# Altium PCB 6502_CPU_MainBoard_PCB_V1_2_x.PcbDoc (part 1 of 4)
Units mil, origin at the board's own origin, x right, y up, seen from the top; angles counter-clockwise.
Board outline 9000 x 6000 mil, 4 copper layers (Top Layer, Plane(GND), Plane(Power), Bottom Layer), stack 23.756 mil thick; 366 components, 374 nets, 1460 pads, 604 vias.
Unrouted connection lines stored in the file: 40.
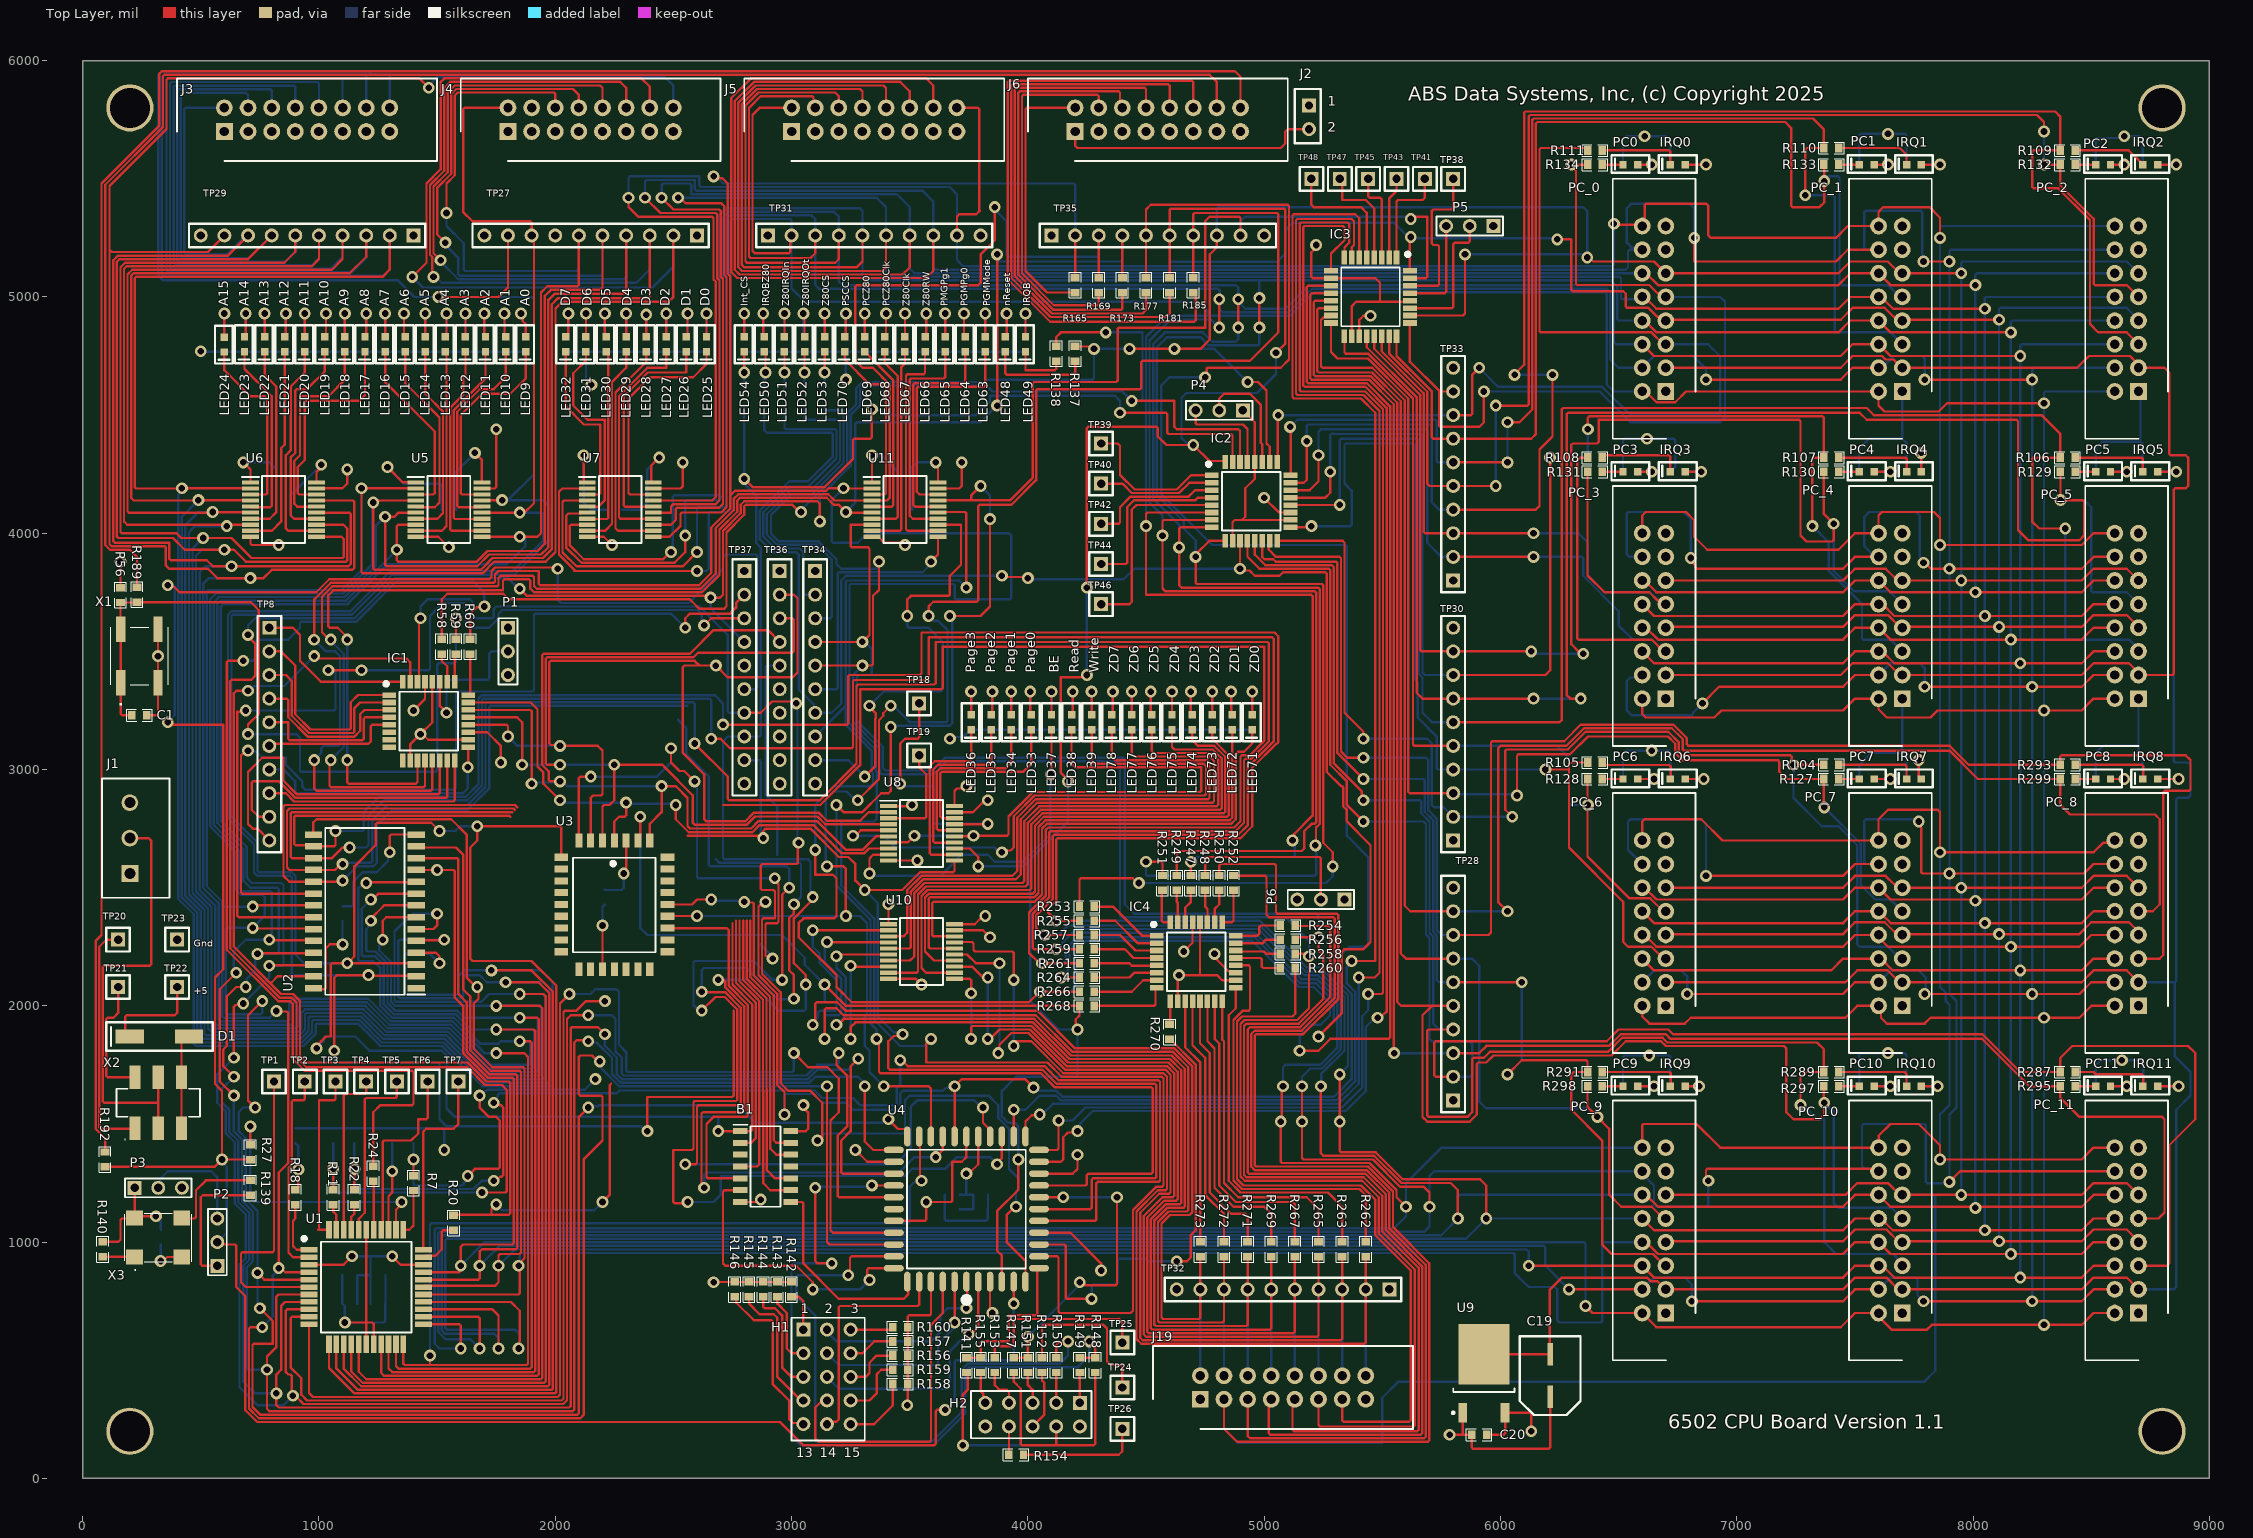
[diagram p0: Top Layer view]
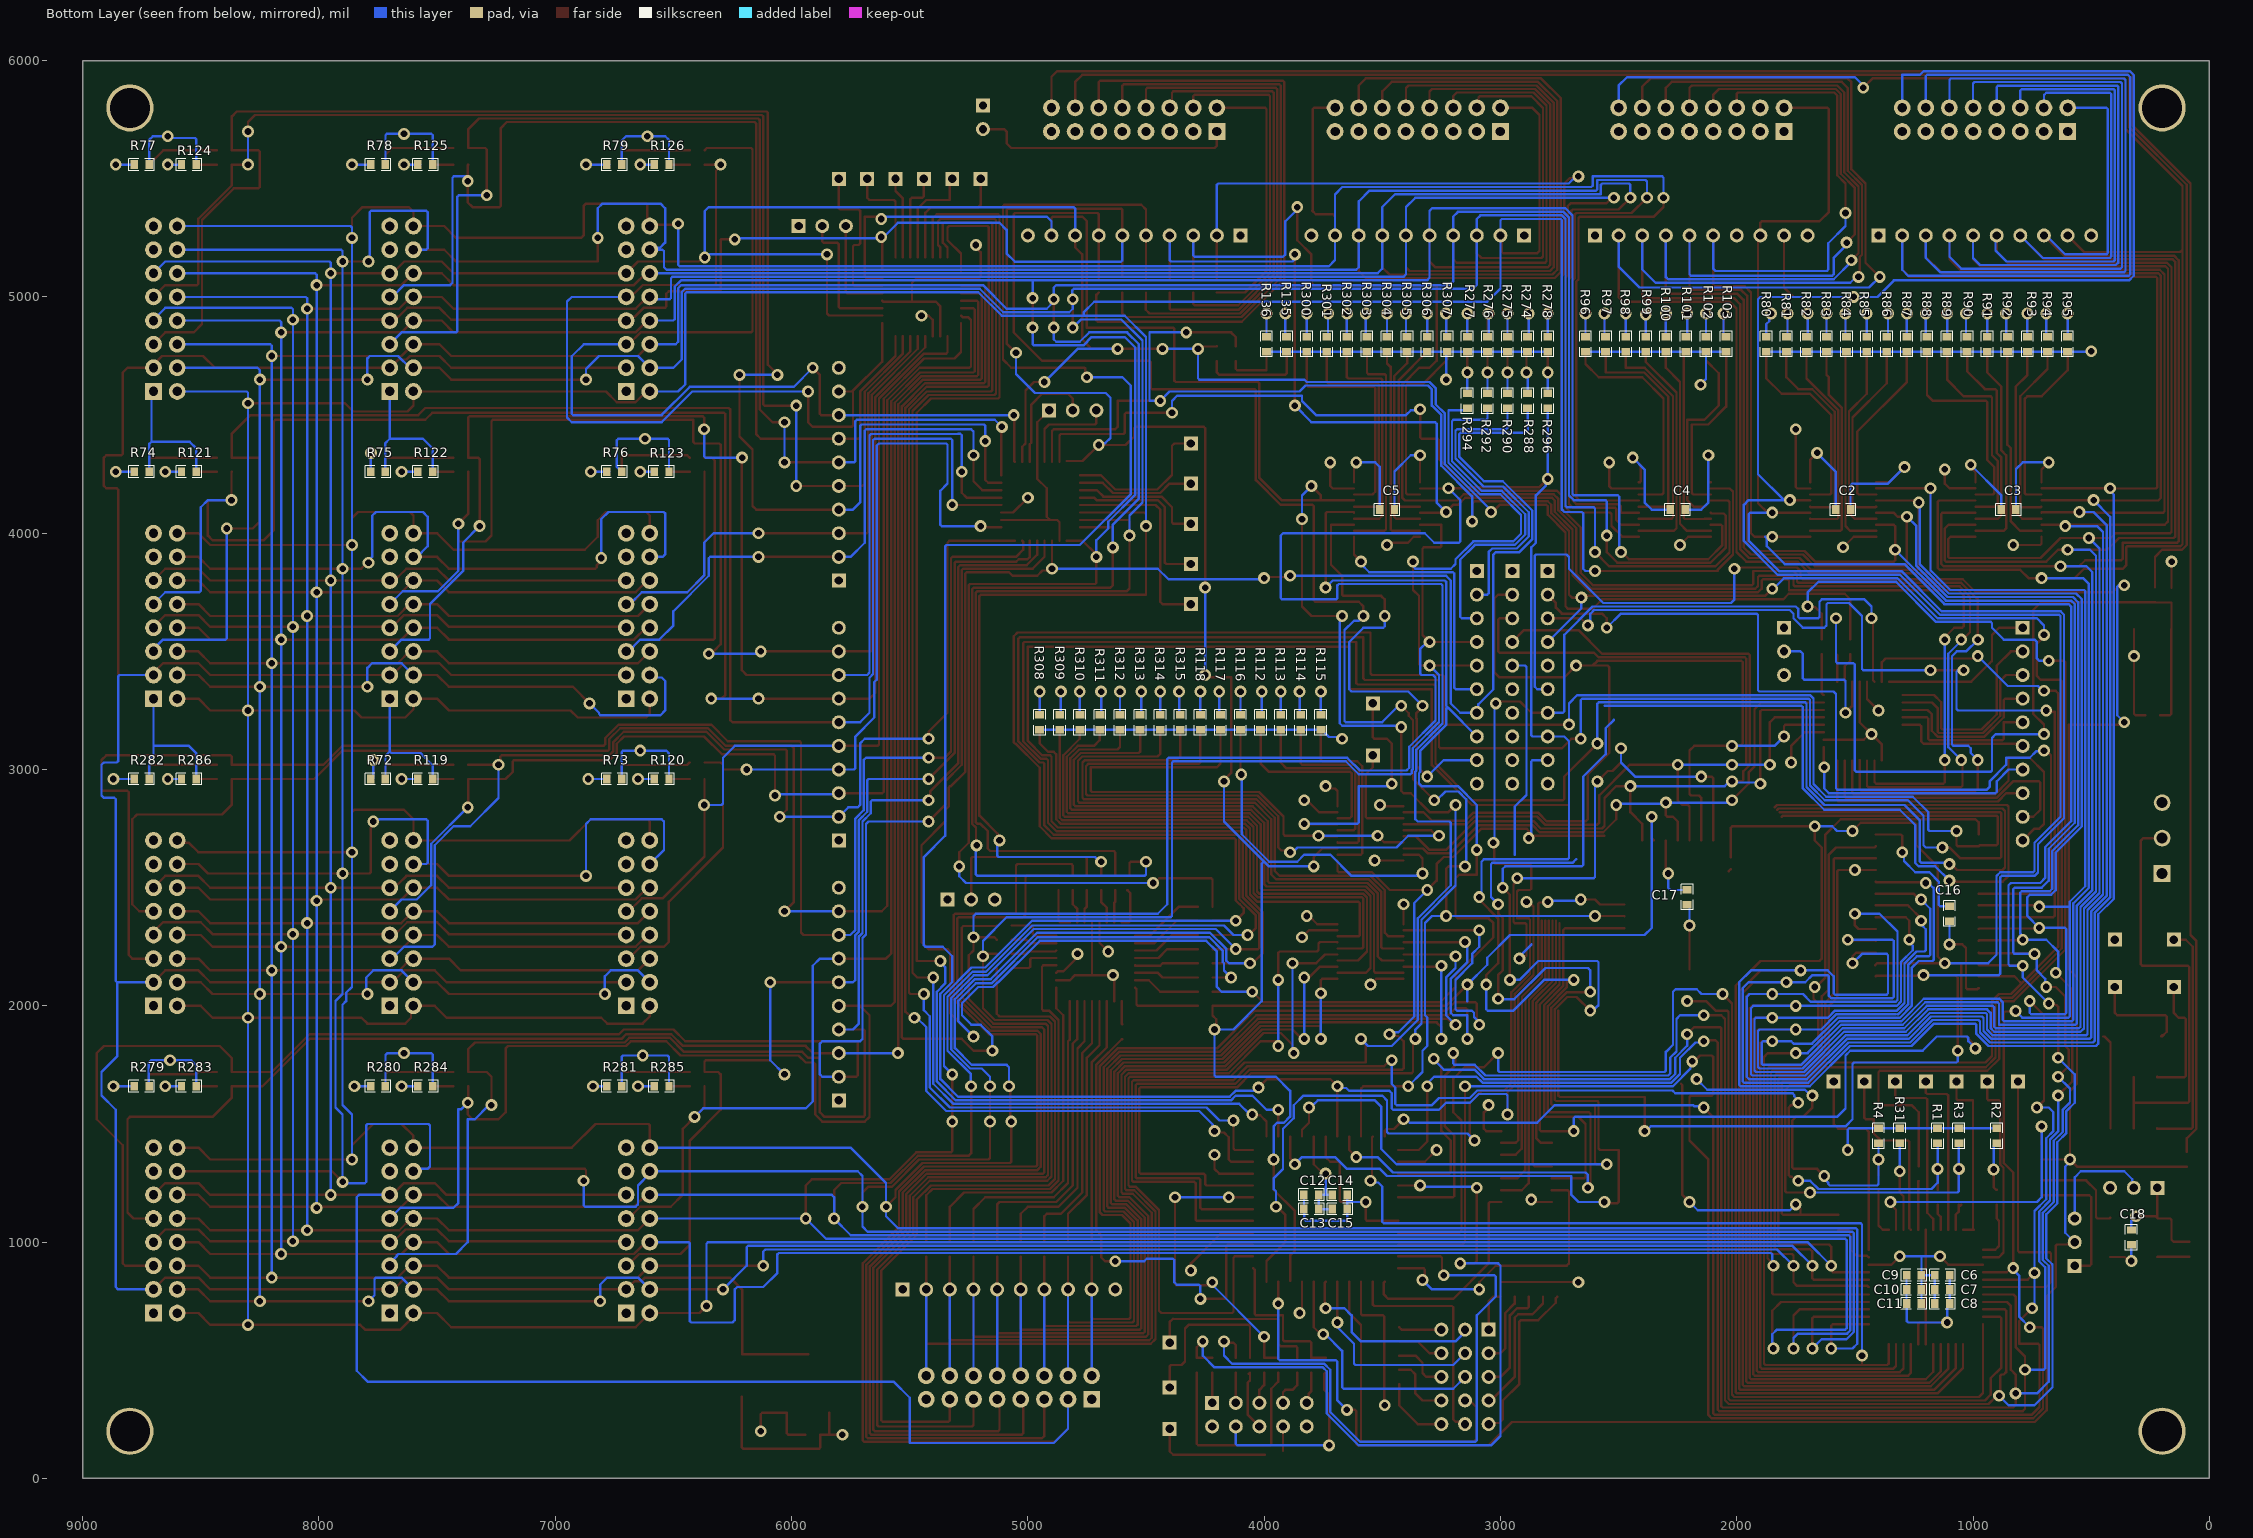
[diagram p1: Bottom Layer view, seen from below]
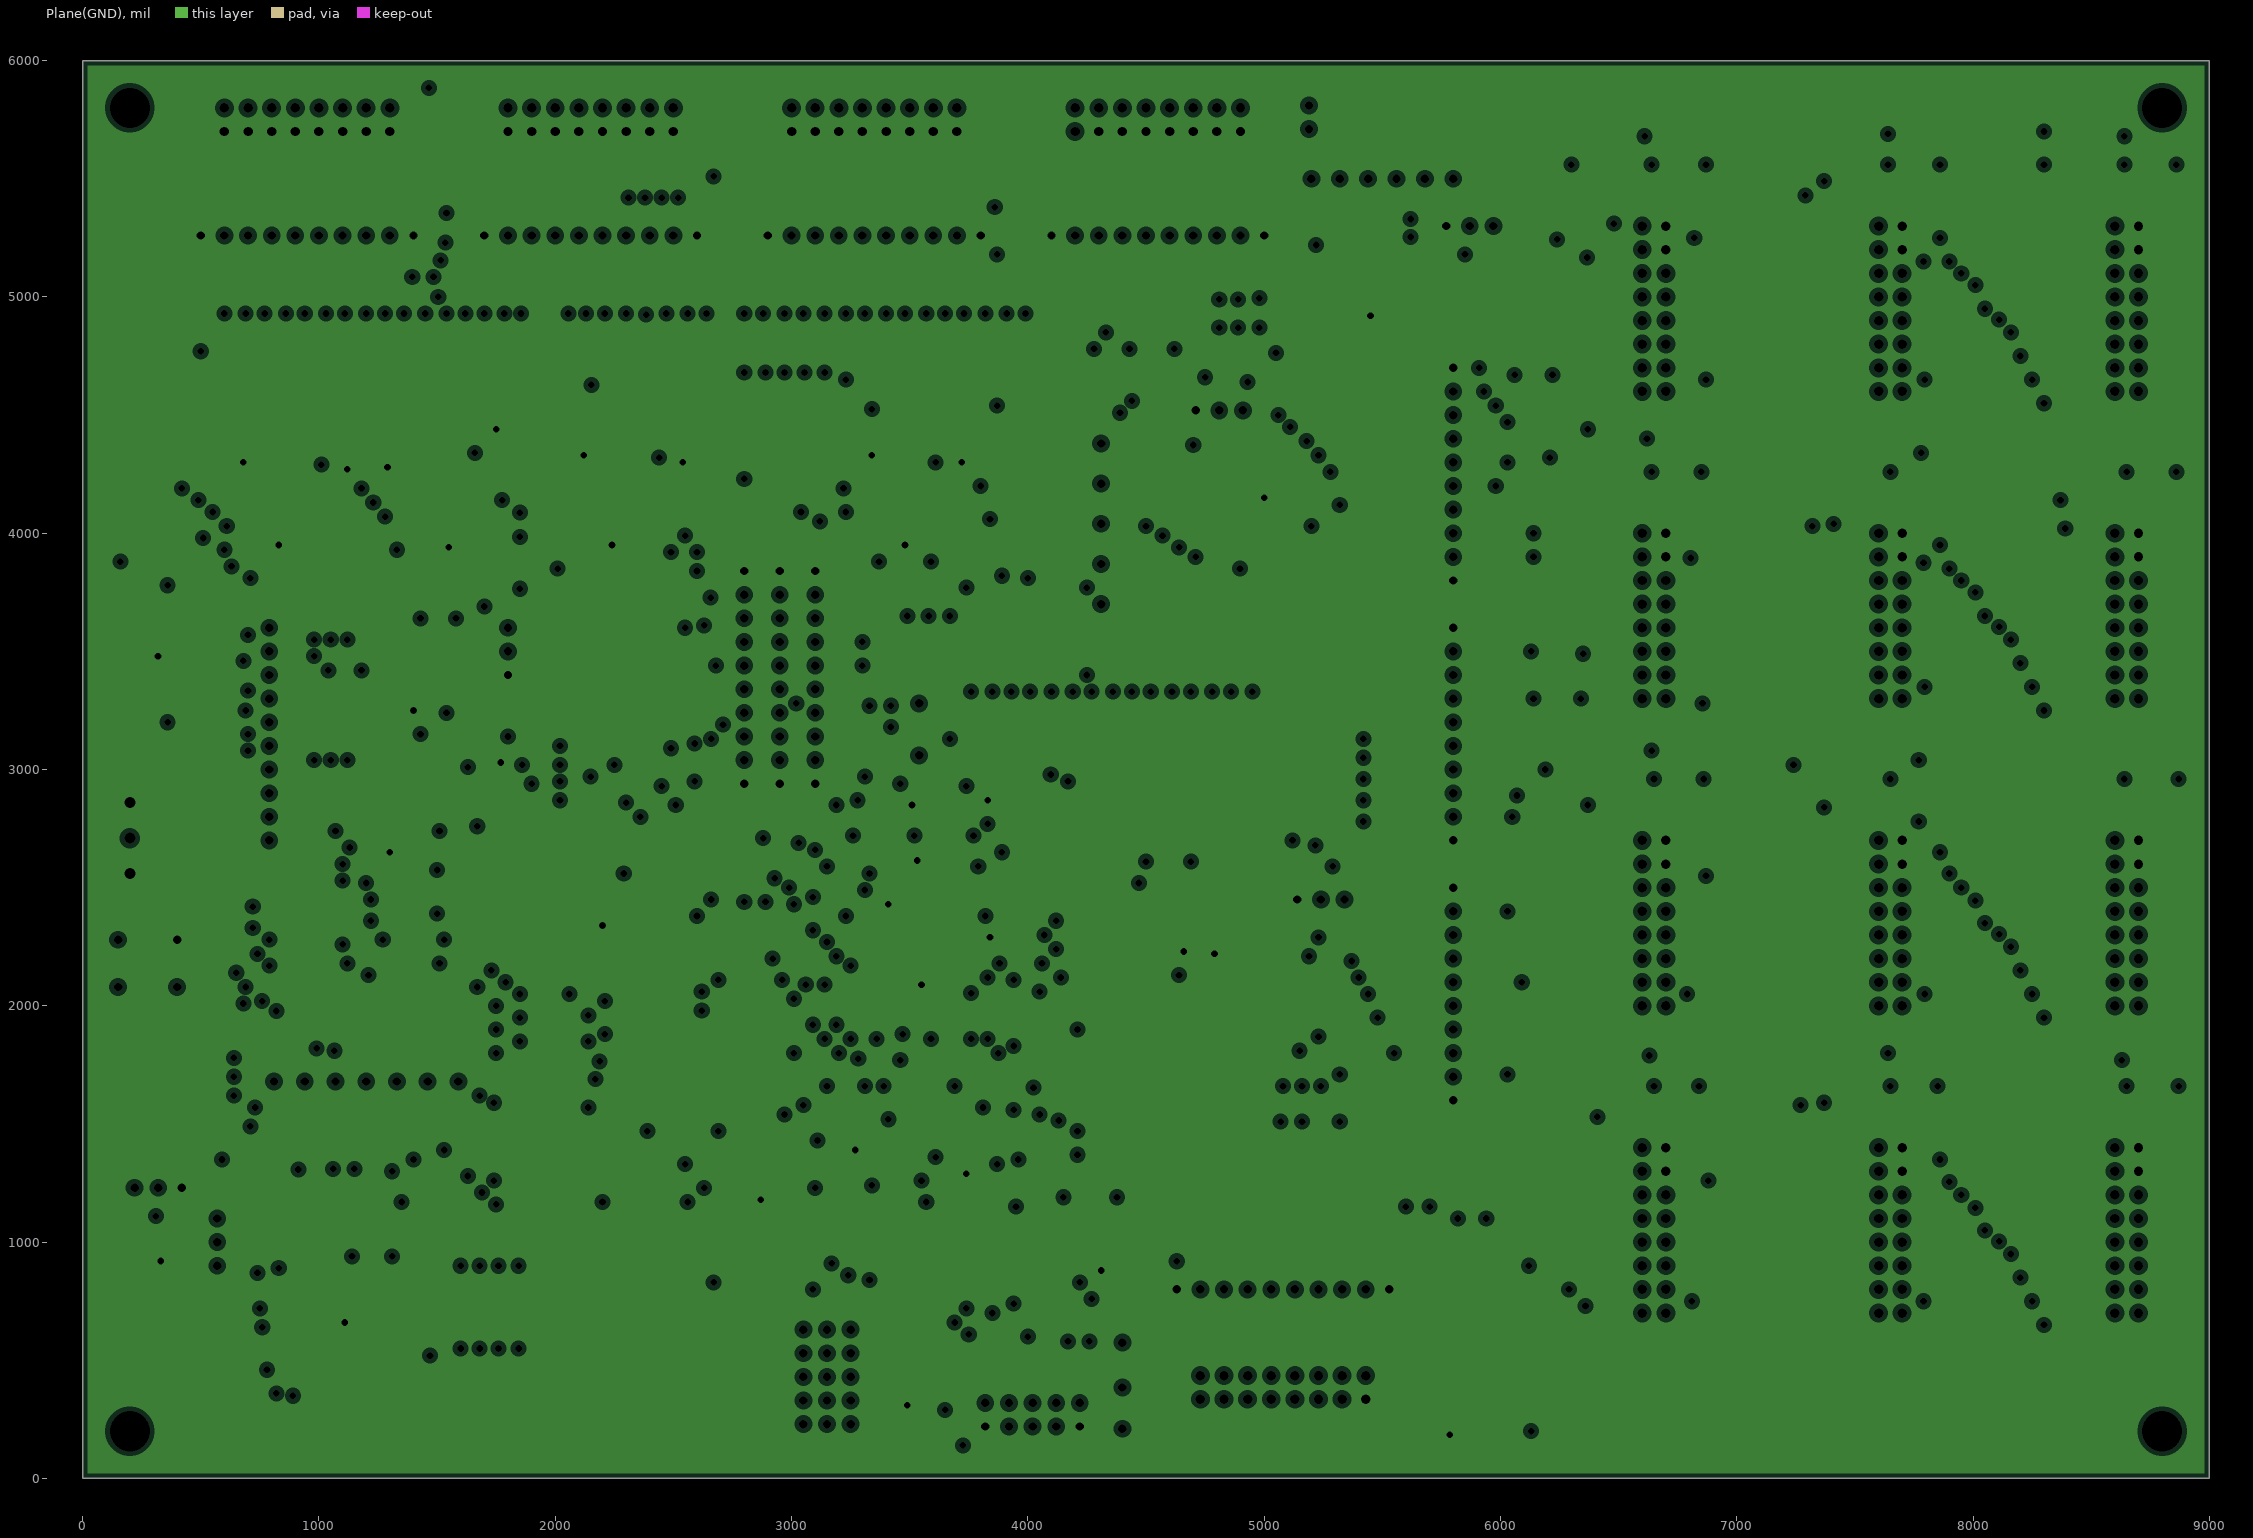
[diagram p2: Plane(GND), clearances drawn from the general rule]